# Altium PCB control-boardv1.0.PcbDoc (continued)
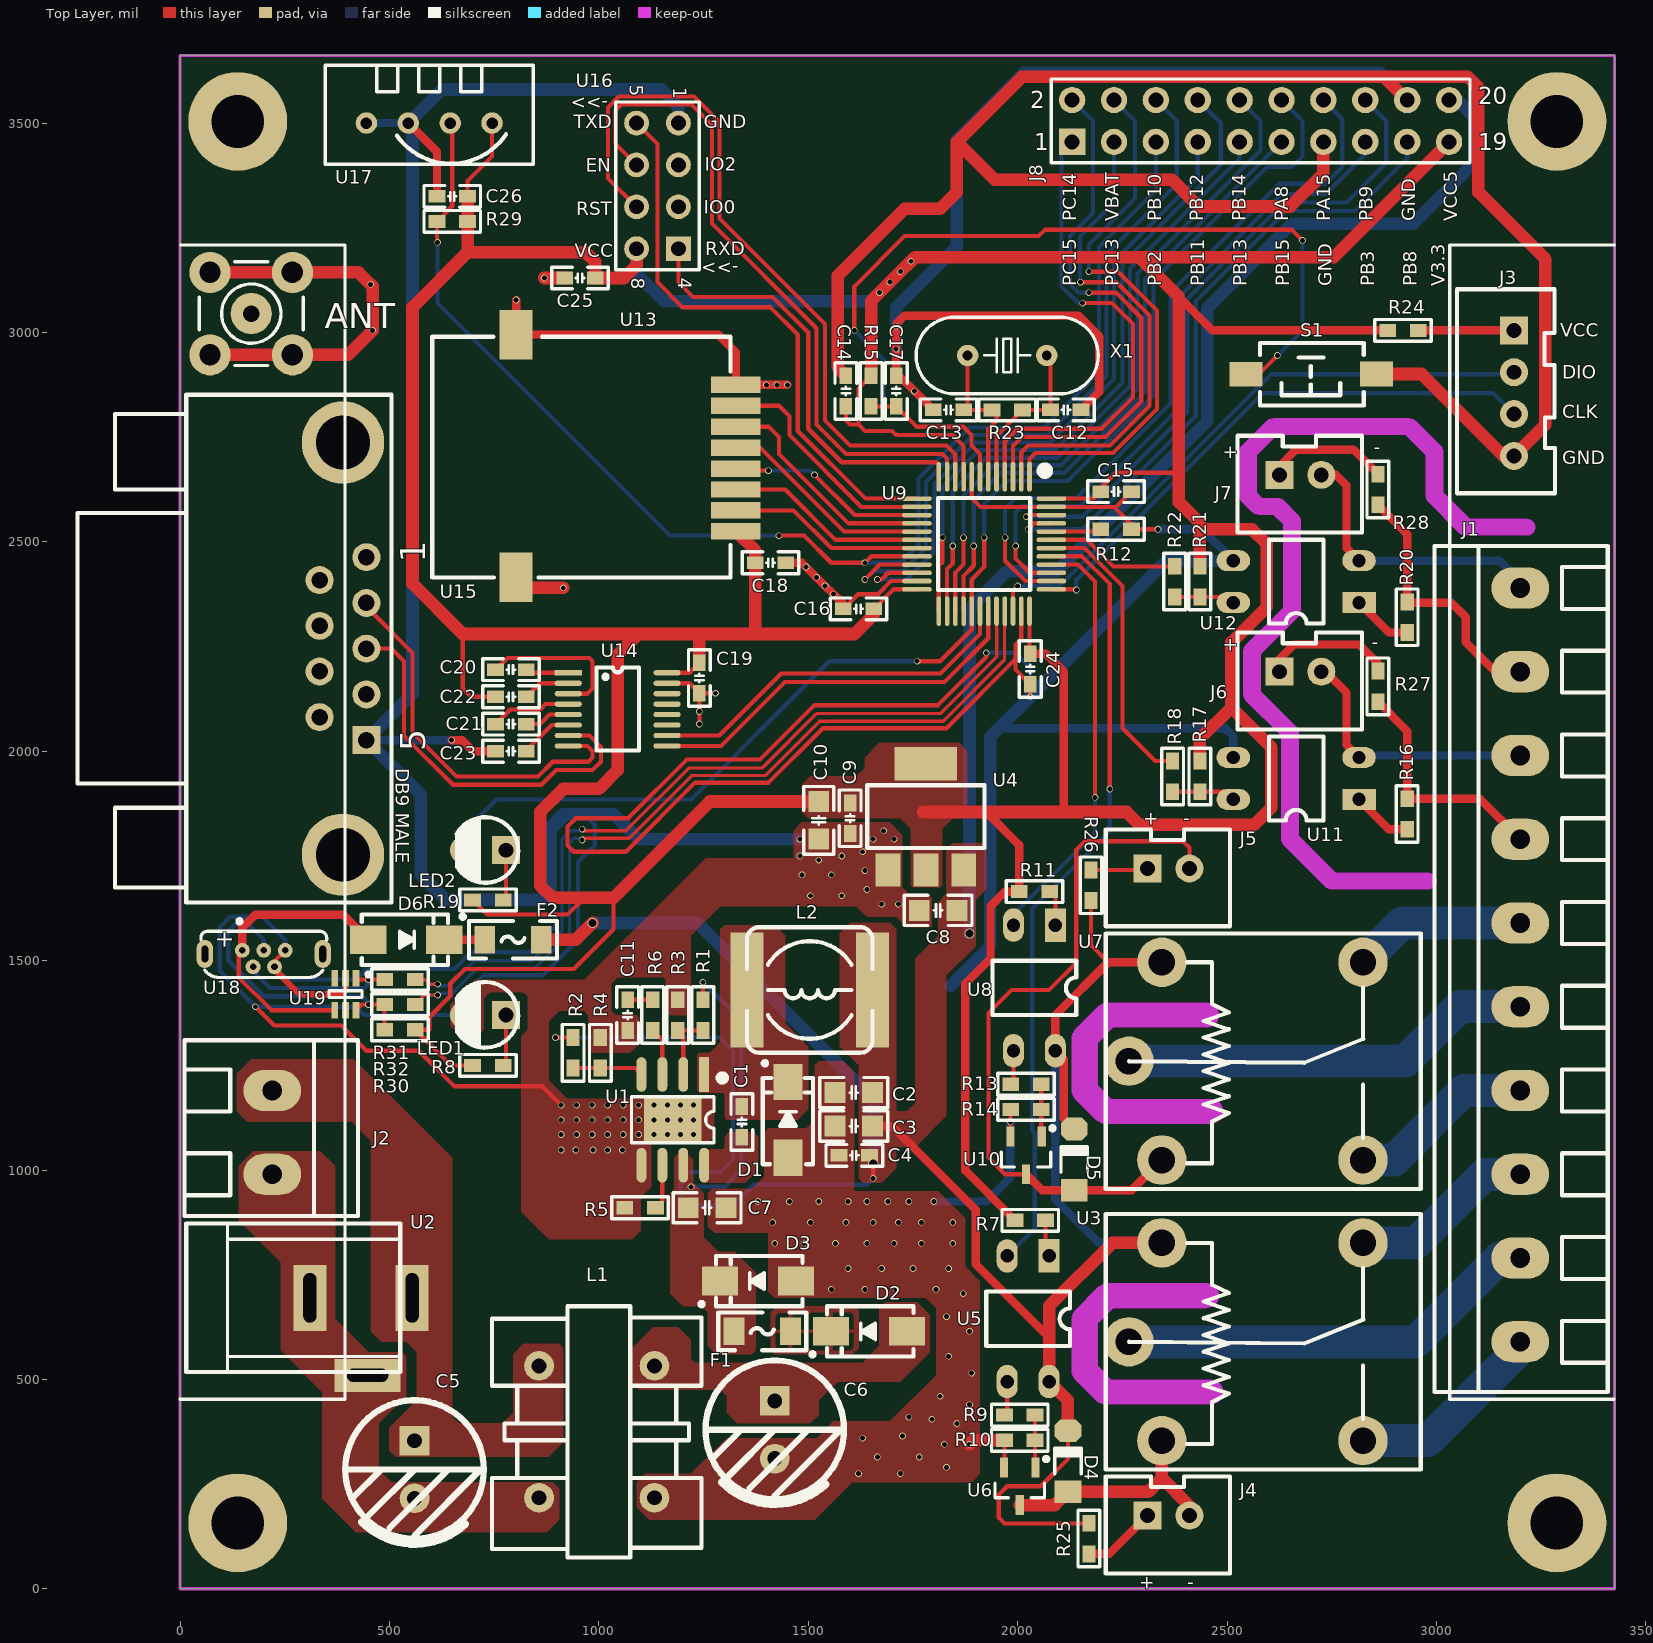
[diagram p0: Top Layer view]
## Part data
C1 C2 C3 C4 C7 C8 C9 C10 C11 C12 C13 C14 C15 C16 C17 C18 C19 C20 C21 C22 C23 C24 C25 C26: library part CAP
C5 C6: library part "CAP Pol", "极性电容"
D1 D2 D4 D5 D6: library part Diode
D3: library part "D Schottky"
F1 F2: library part F, "熔断开关"
J1: library part KF128-10P
L1: library part L2
L2: library part L
R1 R2 R3 R4 R5 R6 R7 R8 R9 R10 R11 R12 R13 R14 R15 R16 R17 R18 R19 R20 R21 R22 R23 R24 R25 R26 R27 R28 R29 R30 R31 R32: library part RES
U1: "DCDCоƬ"
U3 U7: "继电器"
U4: "LDO"
U5 U8 U11 U12: "光耦"
U6 U10: library part NPN
U13: library part 24L01, "2.4G无限模块"
U16: "WIFI模块"
U17: library part DHT11
U19: "TVS", Package=SC-70-6(SOT-363), SuppliersPartNumber=C15879, ComponentLink1Description=供应商链接, ComponentLink1URL=http://www.szlcsc.com/product/details_16561.html, Supplier=LC
X1: library part XTAL-2P

## Free pads (board coordinates)
  round 236.22 hole 125.98: ""(137.8,157.48) ""(137.8,3503.94) ""(3287.4,157.48) ""(3287.4,3503.94)

## Via types
v1: diameter 15.75, hole 11.81, Top Layer to Bottom Layer, 167 vias
v2: diameter 23.62, hole 19.68, Top Layer to Bottom Layer, 3 vias

## Nets (pads, with @x,y where several pads share a name; then routed paths per layer and width w, separated by ;. In a path a pad name is that pad's centre, name@x,y a point inside that pad or via, vN(x,y) a via of type N, cw(c..) or ccw(c..) an arc to the next point about the centre after c; other vN are vias at no path point)
DHT11: J8.5 R29.1 U9.20 U17.2 | length 3303.5
  Top Layer w10: v1(615,3215) 613.5,3216.5 R29.1 650,3301.5 650,3495 U17.2 ; v1(1430,2515) 1490,2515 1555,2450 v1(1635,2450) 1650.47,2465.47 U9.20 U9.20@1760.02,2465
  Bottom Layer w10: v1(615,3215) 615,3070 1170,2515 v1(1430,2515) ; v1(1635,2450) 1720.67,2450 1763.13,2492.46 1763.13,2650.91 1885.21,2773 2063,2773 2194,2904 2194,3204 2330,3340 J8.5
ESP_EN: U9.11 U16.6 | length 1614.5
  Top Layer w10: U16.6 1040,3450 1040,3530 1055,3545 1220,3545 1270,3495 1270,3260 1520,3010 1520,2780 1590,2710 1820,2710 1831.42,2698.58 U9.11
ESP_RST: U9.10 U16.7 | length 1782.3
  Top Layer w10: U16.7 1022,3368 1022,3537.46 1047.54,3563 1227.46,3563 1288,3502.46 1288,3272 1540,3020 1540,2790 1600,2730 1830,2730 1851.1,2708.9 U9.10
GND: ANT.2 ANT.3 C2.2 C3.2 C4.2 C6.2 C7.1 C8.1 C9.1 C10.1 C11.1 C12.1 C13.1 C14.1 C15.1 C16.1 C17.1 C18.2 C19.1 C23.2 C24.1 C25.2 C26.2 D1.1 D3.1 J3.4 J8.13 J8.18 L1.3 LED1.2 R3.1 R4.1 R5.1 R10.1 R12.1 R14.1 S1.1 U1.5 U4.1 U6.2 U9.8 U9.23 U9.35 U9.47 U10.2 U11.3 U12.3 U13.8 U13.9 U13.10 U14.15 U15.5 U16.1 U17.3 U17.4 U18.4 U18.5 U19.2 | length 24243.7
  Top Layer w10: v1(180,1390) 225,1345 385,1345 445,1285 570,1285 655,1200 864.96,1200 v1(909.96,1155) ; U18.4@225.59,1479.41 U18.4 225.59,1499.09 U18.5 ; U14.15 1216,2162.5 C19.1 ; v1(1240,2065) v1(1240,2095) C19.1 ; v1(1278.5,2138.5) C19.1 ; C16.1@1583.5,2351.5 C16.1 1618.5,2375 1666.04,2375 1697.46,2406.42 U9.23 ; U9.8 1890.47,2604.53 1911.42,2583.58 U9.47 2230,2583.58 ; v1(1925,2235) 1925,2225 1810,2110 1515,2110 1385,1980 1210,1980 1070,1840 945,1840 925,1820 925,1775 940,1760 1065,1760 1230,1925 1405,1925 1535,2055 1830,2055 1995,2220 ; U6.2 1968.5,290.9 R10.1 ; U10.2 v1(1982.6,1115) 1982.6,1144.1 R14.1 ; U9.35 2008.58,2268.58 1995,2255 1995,2220 ; v1(2030,2130) C24.1 1995,2195 1995,2220 ; C15.1@2270,2621.5 C15.1 ; C15.1@2285,2620 C15.1 ; v1(2335,2530) R12.1 2271.5,2542.08 2230,2583.58 ; 2230,2583.58 2235.08,2583.58 C15.1
  Top Layer w15: U18.4@225.59,1479.41 285,1420 385,1420 395,1430 U19.2
  Top Layer w20: U17.3 613.5,3431.5 C26.2 ; v1(648.35,2026.65) 673.35,2026.65 700,2000 C23.2 ; v1(802.59,3077.41) U13.9 1285,2995 1327.41,2952.59 U13.8 v1(1400,2875) v1(1425,2875) v1(1450,2875) ; C18.2 1485,2450 v1(1495,2440) v1(1520,2415) v1(1540,2395) v1(1560,2375) C16.1@1583.5,2351.5 ; C13.1 v1(1753.5,2860) 1717,2896.5 C17.1 v1(1710,2960) v1(1710,3015) 1710,3020 1730,3040 2145,3040 2195,2990 2195,2858.5 C12.1
  Top Layer w30: ANT.2@71.57,2946.57 268.43,2946.57 401.57,2946.57 v1(460,3005) 460,3110 v1(455,3115) 426.57,3143.43 268.43,3143.43 ANT.2@71.57,3143.43 ; U13.10 827.59,2390 v1(915,2390) ; v1(870,3130) C25.2 ; C14.1 1570,2916.5 1570,3135 1730,3295 1815,3295 1855,3335 1855,3455 ; v1(1885,345) 1895,355 R10.1 ; J8.13 2730,3380 2650.79,3300.79 2432.31,3300.79 2368.1,3365 1945,3365 1855,3455 ; S1.1 2964.21,2900.79 3160,2705 J3.4 3260,2780 3260,3175 3100,3335 3100,3585 3075,3610 2875,3610 ; J8.18 2875,3610 ; 1855,3455 2010,3610 2875,3610
  Bottom Layer w10: U18.4 255.91,1455 420,1455 445,1480 655,1480 695,1520 835,1520 895,1580 895,1810 925,1840 975,1840 990,1825 990,1775 950,1735 950,1550 865,1465 725,1465 678.35,1418.35 LED1.2 439.92,1370.08 420,1390 v1(180,1390) 95,1475 95,1580 120,1605 195.87,1605 251.18,1549.69 U18.5 ; v1(1925,2235) 1995,2235 2030,2200 v1(2030,2130)
  Bottom Layer w20: U15.5 v1(648.35,2026.65) ; U17.4 U17.3 ; v1(1800,925) 1925,925 1982.6,982.6 v1(1982.6,1115) ; 1955,2055 2495,2055 2515,2035 U11.3 ; v1(2335,2530) 2440,2530 U12.3
  Bottom Layer w30: 885,1655 875,1645 ; U16.1 1190,3540 1150,3580 625,3580 U17.3 555,3490 555,2136.65 U15.5 575,1896.65 575,1705 635,1645 875,1645 ; v1(1480,1790) 1095,1790 1035,1850 915,1850 875,1810 875,1645 ; v1(1710,2960) v1(1710,3015) 1710,3060 1855,3205 1855,3460 2015,3620 2865,3620 J8.18 ; 1840,1440 1935,1535 1935,2035 1955,2055 v1(2030,2130) 2355,2455 U12.3
  other v1: 1620,275 1720,275 1830,290 1665,315 1765,315 1825,345 1630,360 1725,365 1855,395 1795,405 1740,410 1885,440 1815,460 1890,515 1835,555 1885,615 1830,650 1870,705 1555,715 1635,715 1710,715 1805,715 1595,765 1675,765 1750,765 1835,765 1420,825 1490,825 1565,825 1640,825 1705,825 1770,825 1845,825 1415,875 1505,875 1590,875 1655,875 1715,875 1770,875 1845,875 1380,925 1455,925 1525,925 1595,925 1640,925 1690,925 1740,925 909.96,1047.99 944.96,1047.99 985.98,1047.99 1020.98,1047.99 1055.98,1047.99 909.96,1085 946.97,1085 983.98,1085 1020.98,1085 1057.99,1085 1095,1085 1132.01,1085 1163.5,1085 1195,1085 1226.5,1085 909.96,1120 946.97,1120 983.98,1120 1020.98,1120 1057.99,1120 1095,1120 1132.01,1120 1163.5,1120 1195,1120 1226.5,1120 946.97,1155 983.98,1155 1020.98,1155 1057.99,1155 1095,1155 1132.01,1155 1163.5,1155 1195,1155 1226.5,1155 1675,1635 1715,1635 1505,1655 1580,1655 1640,1670 1485,1705 1555,1705 1635,1715 1525,1740 1480,1750 1580,1750 1630,1760 1655,1790 1705,1790 1680,1810
IN1: R18.1 U9.42 | length 699.1
  Top Layer w10: U9.42 2159.39,2485.16 2250,2394.54 2250,2055 2328.5,1976.5 R18.1
IN2: R22.1 U9.43 | length 320.8
  Top Layer w10: U9.43 2165.16,2504.84 2228.5,2441.5 R22.1
LED: J8.12 LED2.2 U9.29 | length 3188.3
  Top Layer w10: v1(1760,2215) 1815,2215 1890.47,2290.47 U9.29 1890.47,2410.47 1920,2440 v1(1920,2510)
  Bottom Layer w10: LED2.2 678.35,1808.35 755,1885 1220,1885 1550,2215 v1(1760,2215) ; v1(1920,2510) 1920,2590 1975,2645 2119.65,2645 2324,2849.35 2324,3123.54 2595.46,3395 2655,3395 2680,3420 2680,3505 J8.12
NetC1_1: C1.1 D1.2 L2.2 U1.1
NetC1_2: C1.2 U1.8
NetC5_1: C5.1 J2.1 L1.1 U2.1
NetC5_2: C5.2 J2.2 L1.4 U2.2 U2.3
NetC6_1: C6.1 D2.1 L1.2
NetC11_2: C11.2 R6.1 | length 60
  Top Layer w10: C11.2 R6.1
NetC12_2: C12.2 R23.2 U9.5 X1.1 | length 386
  Top Layer w10: U9.5 1949.53,2753.03 R23.2 C12.2 2078.5,2935.99 X1.1
NetC13_2: C13.2 R23.1 U9.6 X1.2 | length 373.4
  Top Layer w10: X1.2 1880.51,2824.01 C13.2 R23.1 1950,2803.5 1950,2790 1929.84,2769.84 U9.6
NetC20_1: C20.1 U14.3 | length 374.6
  Top Layer w10: C20.1 781.5,2223 977,2223 985,2215 985,2150 972.5,2137.5 U14.3
NetC20_2: C20.2 U14.1 | length 103.6
  Top Layer w10: C20.2 834,2187.5 U14.1
NetC21_1: C21.1 U14.5 | length 109.8
  Top Layer w10: C21.1 860,2065 882.5,2087.5 U14.5
NetC21_2: C21.2 U14.4 | length 193.2
  Top Layer w10: C21.2 788.5,2100 860,2100 872.5,2112.5 U14.4
NetC22_1: C22.1 U14.2 | length 114
  Top Layer w10: C22.1 859,2162.5 U14.2
NetC23_1: C23.1 U14.6 | length 127.3
  Top Layer w10: C23.1 826.5,2001.5 887.5,2062.5 U14.6
NetD2_2: D2.2 F1.1
NetD4_1: D4.1 J4.2 U3.2 U6.3 | length 571.8
  Top Layer w30: U6.3 2088.03,200 D4.1 2311.97,231.97 2344.21,264.21 ; U3.2 2344.21,264.21 ; J4.2 2410,198.43 2344.21,264.21
NetD5_1: D5.1 J5.2 U7.2 U10.3 | length 1685.5
  Top Layer w10: U10.3 1970,990 1930,1030 1930,1375 1985,1430 2075,1430 2140,1495 2140,1765 2160,1785 2395,1785 2410,1770 J5.2
  Top Layer w20: U10.3 2058.03,951.97 D5.1 2272.4,951.97 U7.2
NetD6_1: D6.1 U18.1 U19.4 | length 722.7
  Top Layer w10: U18.1 140,1515.87 140,1460 218.19,1381.81 U19.4
  Top Layer w20: U18.1 148.82,1578.82 180,1610 389.45,1610 D6.1
NetD6_2: D6.2 F2.1 | length 97
  Top Layer w20: D6.2 F2.1
NetJ1_1: J1.1 U3.5 | length 488.3
  Bottom Layer w78.74: U3.5 2978.78,353.78 J1.1@3215,590
NetJ1_2: J1.2 U3.3 | length 1032.4
  Bottom Layer w78.74: U3.3 2950,590 3150,790 J1.2@3215,790
NetJ1_3: J1.3 U3.4 | length 458.3
  Bottom Layer w78.74: U3.4 2951.22,826.22 3115,990 J1.3@3215,990
NetJ1_4: J1.4 U7.5 | length 459.3
  Bottom Layer w78.74: U7.5 2898.78,1023.78 3065,1190 J1.4@3215,1190
NetJ1_5: J1.5 U7.3 | length 1003.4
  Bottom Layer w78.74: U7.3 2925,1260 3055,1390 J1.5@3215,1390
NetJ1_6: J1.6 U7.4 | length 429.3
  Bottom Layer w78.74: U7.4 2918.31,1590 J1.6@3215,1590
NetJ1_7: J1.7 R16.2 R27.2 | length 586
  Top Layer w20: R27.2 2930,2048.5 R16.2 3103.5,1886.5 J1.7 J1.7@3215,1790
NetJ1_8: J1.8 J6.2 U11.2 | length 650.2
  Top Layer w20: J6.2 2735,2190 2785,2140 2785,2015 U11.2
  Bottom Layer w20: U11.2 2820,1990 J1.8@3215,1990
NetJ1_9: J1.9 R20.2 R28.2 | length 650.1
  Top Layer w20: R28.2 2930,2518.5 R20.2 2931.5,2355 2966.5,2355 3035,2355 3070,2320 3070,2260 3140,2190 J1.9@3215,2190
NetJ1_10: J1.10 J7.2 U12.2 | length 689.7
  Top Layer w20: J7.2 2760,2660 2785,2635 2785,2485 U12.2
  Bottom Layer w20: U12.2 3150,2455 J1.10@3215,2390
NetJ3_1: J3.1 R24.1 | length 231.8
  Top Layer w20: R24.1@2958.86,3002.64 R24.1 J3.1
NetJ4_1: J4.1 R25.1 | length 177.9
  Top Layer w20: R25.1 2218.5,83.5 J4.1
NetJ5_1: J5.1 R26.1 | length 136.4
  Top Layer w10: R26.1 2306.5,1716.5 J5.1
NetJ6_1: J6.1 R27.1 | length 316.6
  Top Layer w20: J6.1 2625,2220 2660,2255 2815,2255 2860,2210 R27.1
NetJ7_1: J7.1 R28.1 | length 295.8
  Top Layer w20: J7.1 2625,2680 2665,2720 2801.5,2720 R28.1
NetLED1_1: LED1.1 R8.1 | length 122.9
  Top Layer w10: R8.1 778.35,1256.85 LED1.1
NetLED2_1: LED2.1 R19.1 | length 121.6
  Top Layer w10: R19.1 778.35,1651.85 LED2.1
NetR1_1: R1.1 R3.2 U1.2 | length 170.6
  Top Layer w10: U1.2 1201.5,1320.51 R3.2 R1.1
NetR2_1: R2.1 R4.2 U1.4 | length 169.3
  Top Layer w10: R2.1 R4.2 1086.26,1243.5 U1.4
NetR5_2: R5.2 U1.6 | length 108.6
  Top Layer w10: R5.2 1151.5,926.49 U1.6
NetR6_2: R6.2 U1.3 | length 114.8
  Top Layer w10: R6.2 1151.5,1310.51 U1.3
NetR7_2: R7.2 U5.1 | length 88.5
  Top Layer w10: R7.2 2066.5,803.5 U5.1
NetR9_1: R9.1 U5.3 | length 82.7
  Top Layer w10: R9.1 1975,421.5 U5.3
NetR9_2: R9.2 R10.2 U6.1 | length 125.4
  Top Layer w10: R9.2 R10.2 2041.5,290.9 U6.1
NetR11_2: R11.2 U8.1 | length 85.6
  Top Layer w10: R11.2 2090,1651.5 U8.1
NetR12_2: R12.2 U9.44 | length 120.3
  Top Layer w10: U9.44 2193.03,2524.53 R12.2
NetR13_1: R13.1 U8.3 | length 82.7
  Top Layer w10: R13.1 1990,1211.5 U8.3
NetR13_2: R13.2 R14.2 U10.1 | length 126.6
  Top Layer w10: R13.2 R14.2 2056.5,1080.9 U10.1
  Top Layer w20: R13.2 R13.2@2057.4,1204.1
NetR16_1: R16.1 U11.1 | length 144.6
  Top Layer w20: U11.1 2886.5,1813.5 R16.1
NetR17_1: R17.1 R18.2 U11.4 | length 152.7
  Top Layer w10: R18.2 R17.1 2496.5,1903.5 U11.4
NetR20_1: R20.1 U12.1 | length 144.6
  Top Layer w20: U12.1 2886.5,2283.5 R20.1
NetR21_1: R21.1 R22.2 U12.4 | length 145.6
  Top Layer w10: R22.2 R21.1 2501.5,2368.5 U12.4
NetR30_1: R30.1 R32.1 U18.3 U19.6 | length 715.6
  Top Layer w10: U19.6 433.78,1395 v1(450,1395) R32.1 R30.1
  Bottom Layer w10: U18.3 200,1549.69 164.68,1585 130,1585 115,1570 115,1500 200,1415 435,1415 450,1400 v1(450,1395)
NetR31_1: R31.1 U18.2 U19.1 | length 385.5
  Top Layer w10: U19.1 423.78,1455 v1(450,1455) R31.1
  Bottom Layer w10: U18.2 174.41,1475.59 215,1435 440,1435 450,1445 v1(450,1455)
NRF_CE: U9.19 U13.2 | length 469.4
  Top Layer w10: U13.2 1465,2575 1554.84,2485.16 U9.19
NRF_CS: U9.18 U13.3 | length 481.9
  Top Layer w10: U13.3 1445,2625 1565.16,2504.84 U9.18
NRF_IRQ: U9.14 U13.7 | length 558.5
  Top Layer w10: U13.7 1430,2825 1455,2800 1455,2755 1626.42,2583.58 U9.14
NRST: C17.2 R15.1 S1.2 U9.7 | length 2221.5
  Top Layer w10: v1(1610,3005) 1610,3110 1730,3230 2050,3230 2065,3245 2655,3245 v1(2680,3220) ; R15.1 v1(1680,2823.5) C17.2 1758.5,2775 1870,2775 1890,2755 1890,2730 1910.16,2709.84 U9.7 ; S1.2 2575,2900 v1(2620,2945)
  Bottom Layer w10: v1(1610,3005) 1680,2935 v1(1680,2823.5) ; v1(2620,2945) 2680,3005 v1(2680,3220)
OUT1: U5.2 U9.41 | length 1877.5
  Top Layer w10: U9.41 2153.62,2465.47 2220,2399.09 v1(2220,1910)
  Bottom Layer w10: U5.2 2040.87,860.87 2040.87,1088.64 2035,1094.51 2035,1625 2220,1810 v1(2220,1910)
OUT2: U8.2 U9.40 | length 1022.2
  Top Layer w10: U9.40 2144.21,2445.79 2185,2405 v1(2185,1890)
  Bottom Layer w10: U8.2 1990,1610 2185,1805 v1(2185,1890)
PA15: J8.14 U9.38 | length 1732
  Top Layer w10: v1(1970,2510) 1970,2455 2018.58,2406.42 U9.38
  Bottom Layer w10: v1(1970,2510) 1970,2580 1995,2605 2140,2605 2365,2830 2365,3095 2625,3355 2735,3355 2775,3395 2775,3510 J8.14
PB3: J8.15 U9.39 | length 1584.1
  Top Layer w10: v1(1995,2490) 1995,2460 2028.9,2426.1 U9.39
  Bottom Layer w10: v1(1995,2490) 1995,2570 2010,2585 2150,2585 2385,2820 2385,3085 2630,3330 2735.46,3330 2830,3424.54 J8.15
PB8: J8.17 U9.45 | length 1533.5
  Top Layer w10: v1(2025,2530) 2039.21,2544.21 U9.45
  Bottom Layer w10: v1(2025,2530) 2155,2530 2425,2800 2425,3074.09 2640.91,3290 2805,3290 2930,3415 J8.17
PB9: J8.16 U9.46 | length 1600.7
  Top Layer w10: v1(2020,2560) 2023.9,2563.9 U9.46
  Bottom Layer w10: v1(2020,2560) 2155,2560 2405,2810 2405,3079.54 2635.46,3310 2785,3310 2880,3405 2880,3505 J8.16
PB10: J8.6 U9.21 | length 1760.2
  Top Layer w10: v1(1635,2410) 1670.79,2445.79 U9.21
  Bottom Layer w10: v1(1635,2410) 1635.48,2410 1656.35,2430.87 1673.65,2430.87 1674.52,2430 1726.13,2430 1781.13,2485 1781.13,2643.46 1892.67,2755 2070.46,2755 2212,2896.54 2212,3187 2380,3355 2380,3505 J8.6
PB11: J8.7 U9.22 | length 1608.2
  Top Layer w10: v1(1665,2410) 1675,2410 1691.1,2426.1 U9.22
  Bottom Layer w10: v1(1665,2410) 1735,2410 1799.13,2474.13 1799.13,2519.52 1802,2522.39 1802,2638.88 1900.12,2737 2077.91,2737 2230,2889.09 2230,3170 2430,3370 J8.7
PB12: J8.8 U9.25 | length 1628.4
  Top Layer w10: U9.25 1811.73,2443.09 1820,2451.36 v1(1820,2510)
  Bottom Layer w10: v1(1820,2510) 1820,2631.42 1907.58,2719 2089,2719 2250,2880 2250,3164.54 2485,3399.54 2485,3500 J8.8
PB13: J8.9 U9.26 | length 1510.3
  Top Layer w10: U9.26 1831.42,2434.93 1845,2448.52 v1(1845,2490)
  Bottom Layer w10: v1(1845,2490) 1845,2621.07 1924.93,2701 2096.46,2701 2268,2872.54 2268,3153 2530,3415 J8.9
PB14: J8.10 U9.27 | length 1637.2
  Top Layer w10: U9.27 1851.1,2426.78 1870.63,2446.31 v1(1870.63,2510)
  Bottom Layer w10: v1(1870.63,2510) 1870.63,2610.45 1943.18,2683 2103.91,2683 2286,2865.09 2286,3141 2580,3435 2580,3505 J8.10
PB15: J8.11 U9.28 | length 1523.8
  Top Layer w10: U9.28 1870.79,2418.63 1895,2442.84 v1(1895,2490)
  Bottom Layer w10: v1(1895,2490) 1895,2600.36 1959.64,2665 2111.37,2665 2304,2857.63 2304,3129 J8.11
PC13: J8.3 U9.2 | length 1193
  Top Layer w10: U9.2 2008.58,2713.58 2025,2730 2220,2730 2315,2825 2315,3040.46 2235.46,3120 v1(2150,3120)
  Bottom Layer w10: v1(2150,3120) 2149.13,3120.87 2149.13,3228.67 2230,3309.54 J8.3
PC14: J8.2 U9.3 | length 1310.1
  Top Layer w10: U9.3 1988.9,2728.9 2010,2750 2210,2750 2295,2835 2295,3035 2235,3095 v1(2170,3095)
  Bottom Layer w10: J8.2 2180,3505 2180,3285 2125,3230 2125,3115 2145,3095 v1(2170,3095)
PC15: J8.1 U9.4 | length 1171.3
  Top Layer w10: U9.4 1969.21,2739.21 2000,2770 2200,2770 2275,2845 2275,3020 2225,3070 v1(2155,3070)
  Bottom Layer w10: J8.1 2105,3430 2105,3109.54 2144.54,3070 v1(2155,3070)
RS232_RX: U14.7 U15.3 | length 946.2
  Top Layer w10: U15.3 505,2245 535,2215 535,2036.72 651.72,1920 863.28,1920 898.28,1955 985,1955 1005,1975 1005,2010 977.5,2037.5 U14.7
RS232_TX: U14.8 U15.2 | length 925
  Top Layer w10: U15.2 445,2345 555,2235 555,2045 660,1940 855,1940 890,1975 975,1975 985,1985 985,2000 972.5,2012.5 U14.8
SPI0_MISO: U9.16 U13.6 | length 551.2
  Top Layer w10: U13.6 1405,2775 1430,2750 1430,2710 1595.79,2544.21 U9.16
SPI0_MOSI: U9.17 U13.5 | length 515.2
  Top Layer w10: U13.5 1385,2725 1585.47,2524.53 U9.17
SPI0_SCK: U9.15 U13.4 | length 478.2
  Top Layer w10: U13.4 1332.41,2670 v1(1405,2670) ; v1(1515,2660) 1611.1,2563.9 1618.26,2563.9 U9.15
  Bottom Layer w10: v1(1405,2670) 1505,2670 v1(1515,2660)
SWCLK: J3.3 U9.37 | length 1335
  Top Layer w10: U9.37 2138.27,2386.73 v1(2140,2385)
  Bottom Layer w10: v1(2140,2385) 2140,2409.54 2585.46,2855 3135,2855 J3.3
SWDIO: J3.2 U9.34 | length 1461.3
  Top Layer w10: U9.34 1988.9,2383.9 v1(2000,2395)
  Bottom Layer w10: v1(2000,2395) 2100,2395 2605,2900 3180,2900 J3.2
USART0_RX: U9.31 U14.9 | length 938.1
  Top Layer w10: U14.9 1291.49,2012.5 1443.99,2165 1825,2165 1929.84,2269.84 U9.31
USART0_TX: U9.30 U14.10 | length 902.1
  Top Layer w10: U14.10 1287.5,2037.5 1435.5,2185.5 1815.5,2185.5 1910.16,2280.16 U9.30
USART1_RX: U9.13 U16.5 | length 1369
  Top Layer w10: U16.5 1140,3450 1140,3120 1200,3060 1410,3060 1475,2995 1475,2765 1636.73,2603.27 U9.13
USART1_TX: U9.12 U16.4 | length 1045.2
  Top Layer w10: U16.4 1190,3120 1225,3085 1415,3085 1500,3000 1500,2770 1580,2690 1805,2690 1811.73,2683.27 U9.12
USB_N: R31.2 U9.32 | length 1960.5
  Top Layer w8: R31.2 585.5,1455 596.63,1443.87 v1(615,1443.87) ; v1(960,1813.87) 963.87,1810 1064.54,1810 1214.54,1960 1389.54,1960 1519.54,2090 1815,2090 1950.37,2225.37 1950.37,2294.28 1949.53,2295.12 U9.32
  Bottom Layer w8: v1(615,1443.87) 618.87,1440 642.54,1440 702.54,1500 840,1500 912,1572 912,1789.46 932.54,1810 956.13,1810 v1(960,1813.87)
USB_P: R32.2 U9.33 | length 1995.3
  Top Layer w8: R32.2 584.63,1418.13 v1(615,1418.13) ; v1(960,1788.13) 963.87,1792 1072,1792 1222,1942 1397,1942 1527,2072 1822.46,2072 1968.37,2217.91 1968.37,2294.28 1969.21,2295.12 U9.33
  Bottom Layer w8: v1(615,1418.13) 618.87,1422 650,1422 710,1482 847.46,1482 930,1564.54 930,1782 940,1792 956.13,1792 v1(960,1788.13)
VBAT: J8.4 U9.1 | length 1309.2
  Top Layer w10: U9.1 2028.27,2698.27 2042,2712 2227.46,2712 2333,2817.54 2333,3052 2240,3145 v1(2170,3145)
  Bottom Layer w10: v1(2170,3145) 2170,3210 2280,3320 2280,3505 J8.4
VCC3.3: C9.2 C10.2 C14.2 C15.2 C16.2 C18.1 C19.2 C22.2 C24.2 C25.1 C26.1 J8.19 R7.1 R8.2 R11.1 R15.2 R17.2 R19.2 R21.2 R24.2 R29.2 R30.2 U4.2 U9.9 U9.24 U9.36 U9.48 U13.1 U14.16 U16.8 U17.1 | length 14560.4
  Top Layer w10: 675,2280 675,2150 695,2130 C22.2 ; C26.1 686.5,3361.5 745,3420 U17.1 ; R8.2 646.5,1250 R30.2 595,1335 595,1365 645,1415 645,1445 680,1480 940,1480 1035,1575 1035,1650 ; R19.2 733.5,1610 925,1610 965,1650 975,1650 ; U14.16 1216,2187.5 C19.2 ; C14.2 1590,2790 1600,2780 1620,2780 ; R15.2 1620,2866.5 1620,2780 ; C16.2 1703.23,2386.73 U9.24 ; U9.9 1870.79,2729.21 1845,2755 1710,2755 1700,2765 1635,2765 1620,2780 ; U9.36 2028.27,2234.73 C24.2 ; U9.48 2181.77,2603.27 C15.2 2198.5,2628.5 2235,2665 2385,2665
  Top Layer w20: 1925,1855 2003.5,1776.5 R11.1 1970,1665 1935,1630 1935,1505 1875,1445 1875,998.5 R7.1 ; C24.2 2067,2233 2110,2190 2110,1855 ; 2385,3085 2465,3005 R24.2
  Top Layer w30: C26.1 R29.2 686.5,3191.5 ; U16.8 1090,3160 1060,3130 C25.1 991.5,3168.5 968.5,3191.5 686.5,3191.5 ; C19.2 1240,2280 ; U13.1 1373.5,2478.91 C18.1 1373.5,2281.5 1375,2280 ; C10.2 1265,1880 1035,1650 965,1650 890,1650 860,1680 860,1855 915,1910 1000,1910 1045,1955 1045,2230 1095,2280 ; R15.2 1650,3075 v1(1670,3095) v1(1695,3120) v1(1720,3145) v1(1745,3170) 1755,3180 2290,3180 ; C16.2 1656.5,2326.5 1610,2280 1375,2280 ; 1775,1855 1925,1855 2110,1855 2260,1855 2290,1825 2565,1825 2605,1865 2605,2010 2510,2105 ; R17.2 2435,2030 2510,2105 ; R21.2 2435,2530 2560,2530 2595,2495 2595,2345 2510,2260 2510,2105 ; 2435,2545 2385,2595 2385,2665 2385,3085 2290,3180 ; J8.19 2755,3180 2290,3180 ; 686.5,3191.5 555,3060 555,2400 675,2280 1095,2280 ; 1095,2280 1240,2280 ; 1240,2280 1375,2280
  Bottom Layer w30: U16.8 1090,3140 1155,3075 1650,3075 v1(1670,3095) v1(1695,3120) v1(1720,3145) v1(1745,3170)
VCC5: C2.1 C3.1 C4.1 C8.2 D4.2 D5.2 F2.2 J8.20 L2.1 R2.2 R25.2 R26.2 U3.1 U4.3 U5.4 U7.1 U8.4 | length 8672.8
  Top Layer w10: v1(896.5,1316.5) R2.2 ; v1(1655,980) v2(1655,1015) ; D4.2 2120,310 2055,245 1975,245 1955,225 1955,170 1968.5,156.5 R25.2 ; R26.2 2175,1537.44 2216.22,1496.22
  Top Layer w20: C3.1 1700,1105 1900,905 1900,775 2075,600 ; D5.2 2110,1123.03 2110,1265 U8.4 2090,1370 2216.22,1496.22 U7.1
  Top Layer w30: F2.2 945,1550 v2(985,1590) ; D4.2 2120,450 U5.4 2075,600 2075,675 2226.22,826.22 U3.1
  Bottom Layer w10: v1(896.5,1316.5) 1288.5,1316.5 1320,1285 1320,1025 1290,995 1210,995 1195,980 1195,935 1215,915 1320,915 1370,965 1640,965 v1(1655,980)
  Bottom Layer w20: U8.4 2090,930 2193.78,826.22 U3.1
  Bottom Layer w30: v2(985,1590) 1235,1590 1655,1170 v2(1655,1015) ; v2(1885,1565) 1885,2340 1975,2430 2094.6,2430 2453,2788.4 2453,3058 2655,3260 2945,3260 3090,3405 3090,3515 3050,3555 J8.20
VCC_IN: C7.2 D3.2 F1.2 R1.2 U1.7 | length 665
  Top Layer w10: R1.2 v1(1248.5,1448.5)
  Bottom Layer w10: v1(1220,960) 1300,960 1340,1000 1340,1357.01 v1(1248.5,1448.5)
pads on no net: ANT.1 U14.11 U14.12 U14.13 U14.14 U15.1 U15.4 U15.6 U15.7 U15.8 U15.9 U15.10 U15.11 U16.2 U16.3 U18.6 U19.3 U19.5

## Polygon pours and split planes (outlines as drawn)
NetC5_2 on Top Layer "Top Layer-No Net" (solid, pour order 44): 175,1045 335,1045 370,1010 370,645 450,565 530,565 540,555 540,460 475,395 475,285 505,255 890,255 905,240 905,165 875,135 420,135 340,215 340,470 240,570 240,780 140,880 140,1010
NetC5_1 on Top Layer "Top Layer-No Net" (solid, pour order 42): 135,1140 135,1230 170,1265 415,1265 650,1030 650,410 665,395 770,395 795,420 795,560 820,585 905,585 915,575 915,350 880,315 515,315 500,330 500,385 565,450 565,565 540,590 480,590 455,615 455,1070 410,1115 160,1115
GND on Top Layer "Top Layer-No Net" (solid, pour order 32): 1265,1070 1275,1080 1275,1165 1270,1170 925,1170 880,1215 880,1355 905,1380 965,1380 975,1370 975,1290 985,1280 1075,1280 1095,1300 1095,1365 1090,1370 1040,1370 1030,1380 1030,1445 1045,1460 1155,1460 1160,1455 1160,1380 1170,1370 1210,1370 1220,1380 1220,1560 1290,1630 1615,1630 1620,1635 1620,1710 1585,1745 1255,1745 965,1455 705,1455 645,1395 645,1345 675,1315 705,1315 725,1335 725,1410 740,1425 820,1425 830,1415 830,1335 815,1320 815,900 880,835 1080,835 1100,855 1100,935 1125,960 1125,1065 1130,1070
GND on Top Layer "Top Layer-No Net" (solid, pour order 30): 1780,695 1805,670 1805,510 1695,400 1560,400 1515,355 1515,310 1570,255 1860,255 1910,305 1910,735 1875,770 1875,885 1810,950 1465,950 1405,890 1405,709.98 1419.98,695
GND on Top Layer "Top Layer-No Net" (solid, pour order 28): 1110,275 1220,275 1305,360 1910,360 1910,275 1890,255 1605,255 1515,165 1120,165 1090,195 1090,255
GND on Top Layer "Top Layer-No Net" (solid, pour order 26): 1795,1650 1785,1660 1740,1660 1725,1675 1725,1800 1695,1830 1485,1830 1465,1810 1465,1745 1485,1725 1605,1725 1615,1715 1615,1630 1640,1605 1710,1605 1735,1580 1790,1580 1795,1585
VCC3.3 on Top Layer "Top Layer-No Net" (solid, pour order 24): 1820,1680 1820,1815 1880,1875 1880,2000 1860,2020 1670,2020 1635,1985 1635,1960 1615,1940 1505,1940 1485,1920 1485,1855 1500,1840 1720,1840 1745,1815 1745,1680 1750,1675 1815,1675
GND on Top Layer "Top Layer-No Net" (solid, pour order 20): 1610,1235 1585,1260 1525,1260 1515,1250 1515,1120 1495,1100 1405,1100 1395,1090 1395,985 1365,955 1270,955 1260,945 1260,865 1275,850 1550,850 1610,910
VCC5 on Top Layer "Top Layer-No Net" (solid, pour order 18): 1695,1140 1735,1140 1755,1160 1755,1505 1810,1560 1810,1640 1830,1660 1830,1765 1845,1780 1915,1780 1925,1770 1925,1670 1900,1645 1900,1535 1830,1465 1830,1130 1755,1055 1700,1055 1687.92,1067.08 1687.92,1133.9 1688.9,1133.9
VCC5 on Top Layer "Top Layer-No Net" (solid, pour order 14): 1710,1575 1695,1590 1600,1590 1575,1565 1575,1295 1620,1250 1620,980 1630,970 1675,970 1705,1000 1710,1005
NetC1_1 on Top Layer "Top Layer-No Net" (solid, pour order 12): 1475,1120 1500,1145 1500,1295 1445,1350 1445,1560 1420,1585 1300,1585 1290,1575 1290,1305 1265,1280 1240,1280 1235,1275 1235,1190 1240,1185 1295,1185 1300,1180 1300,1125 1305,1120
NetC1_2 on Top Layer "Top Layer-No Net" (solid, pour order 10): 1255,1050 1295,1050 1300,1055 1300,1080 1310,1090 1370,1090 1380,1080 1380,1000 1350,970 1250,970 1245,975 1245,1040
VCC_IN on Top Layer "Top Layer-No Net" (solid, pour order 8): 1375,570 1375,755 1325,805 1285,805 1250,840 1250,945 1225,970 1225,1025 1210,1040 1190,1040 1180,1030 1180,955 1170,945 1170,705 1200,675 1245,675 1260,660 1260,580 1280,560 1365,560
NetD2_2 on Top Layer "Top Layer-No Net" (solid, pour order 6): 1605,560 1620,575 1620,665 1610,675 1425,675 1410,660 1410,570 1420,560
NetC6_1 on Top Layer "Top Layer-No Net" (solid, pour order 4): 1220,550 1220,595 1190,625 1130,625 1080,575 1080,490 1095,475 1290,475 1305,460 1305,420 1330,395 1505,395 1525,415 1525,450 1570,495 1720,495 1790,565 1790,655 1760,685 1685,685 1670,670 1670,580 1630,540 1230,540
GND on Bottom Layer "Top Layer-No Net" (solid, pour order 46): 1825,2295 1750,2370 1640,2370 1605,2405 1605,2465 1630,2490 1690,2490 1725,2525 1725,3015 1925,3215 1925,3535 1875,3585 440,3585 395,3540 395,3020 530,2885 530,2135 450,2055 450,1980 540,1890 540,1665 605,1600 950,1600 980,1630 1450,1630 1490,1590 1800,1590 1825,1615
GND on Bottom Layer "Top Layer-No Net" (solid, pour order 40): 1875,770 1875,1650 1695,1830 1485,1830 1465,1810 1465,1635 1490,1610 1710,1610 1750,1570 1750,965 1735,950 1735,805 1785,755 1860,755
GND on Bottom Layer "Top Layer-No Net" (solid, pour order 38): 1840,950 1875,915 1875,770 1910,735 1910,270 1895,255 1595,255 1570,280 1570,575 1545,600 1545,920 1575,950
GND on Bottom Layer "Top Layer-No Net" (solid, pour order 34): 1837.45,950 1385,950 1320,885 1200,885 1125,960 1125,1060 1135,1070 1265,1070 1275,1080 1275,1165 1265,1175 835,1175 815,1155 815,900 880,835 1075,835 1105,805 1105,715 1220,600 1630,600 1630,490

## Keep-outs
Keep-Out Layer:
  lines w8: 0,0 3425.2,0 3425.2,3661.42 0,3661.42 0,0
  lines w39.37: 2980,1690 2750,1690 2650,1790 2650,2045 2560,2135 2560,2240 2655,2335 2655,2550 2620,2585 2575,2585 2550,2610 2550,2715 2610,2775 2935,2775 2995,2715 2995,2610 3070,2535 3185,2535 3215,2535
  lines w59.06: 2450,700 2215,700 2160,645 2160,520 2210,470 2460,470 ; 2450,1370 2215,1370 2160,1315 2160,1190 2210,1140 2460,1140

## Silkscreen, mask and mechanical layers (free items; w line width, h text height)
Top Overlay:
  lines w8: 0,452.76 393.7,452.76 393.7,3208.66 1.34,3208.66 ; 3423.86,452.76 3031.5,452.76 3031.5,3208.66 3425.2,3208.66
  text "PC14" at 2140,3265 h32 r90
  text "VBAT" at 2241.11,3265 h32 r90
  text "PB10" at 2342.22,3265 h32 r90
  text "PB12" at 2443.33,3265 h32 r90
  text "PB14" at 2544.44,3265 h32 r90
  text "PA8" at 2645.56,3265 h32 r90
  text "PA15" at 2746.67,3265 h32 r90
  text "PB9" at 2847.78,3265 h32 r90
  text "GND" at 2948.89,3265 h32 r90
  text "VCC5" at 3050,3265 h32 r90
  text "PC15" at 2140,3110 h32 r90
  text "PC13" at 2241.67,3110 h32 r90
  text "PB2" at 2343.33,3110 h32 r90
  text "PB11" at 2445,3110 h32 r90
  text "PB13" at 2546.67,3110 h32 r90
  text "PB15" at 2648.33,3110 h32 r90
  text "GND" at 2750,3110 h32 r90
  text "PB3" at 2851.67,3110 h32 r90
  text "PB8" at 2953.33,3110 h32 r90
  text "V3.3" at 3020,3110 h32 r90
  text "VCC" at 3295,2990 h32
  text "DIO" at 3300,2890 h32
  text "CLK" at 3300,2795 h32
  text "-" at 2850,2710 h32
  text "+" at 2490,2700 h32
  text "GND" at 3300,2685 h32
  text "-" at 2845,2245 h32
  text "+" at 2490,2240 h32
  text "+" at 2300,1825 h32
  text "-" at 2395,1825 h32
  text "+" at 2290,0 h32
  text "-" at 2405,0 h32
Bottom Overlay:
  text "-" at 3360,2405 h32 r90
  text "+" at 3360,2200 h32 r90
  text "-" at 3360,2000 h32 r90
  text "+" at 3360,1800 h32 r90
  text "NC" at 3360,1615 h32 r90
  text "COM" at 3360,1435 h32 r90
  text "NO" at 3365,1210 h32 r90
  text "+12-24" at 50,1150 h32 r270
  text "NC" at 3360,1015 h32 r90
  text "GND" at 45,945 h32 r270
  text "COM" at 3360,835 h32 r90
  text "NO" at 3365,610 h32 r90
  text "VCC12-24" at 45,575 h32 r270

## Text inside footprints (layer, text, board x,y; h text height)
J8: Top Overlay "2" at 2030,3535 h40; Top Overlay "1" at 2040,3435 h40; Top Overlay "20" at 3100,3545 h40; Top Overlay "19" at 3100,3435 h40
U15: Top Overlay "DB9 MALE" at 515,1960 h32 r270; Top Overlay "1" at 585,2450 h60 r90; Top Overlay "5" at 585,2000 h60 r90
U16: Top Overlay "->>" at 1022,3563 h32 r180; Top Overlay "->>" at 1334,3169 h32 r180; Top Overlay "5" at 1074,3591 h32 r270; Top Overlay "8" at 1077,3130 h32 r270; Top Overlay "4" at 1189,3130 h32 r270; Top Overlay "1" at 1178,3586 h32 r270; Top Overlay "RST" at 946,3280 h32; Top Overlay "EN" at 969,3384 h32; Top Overlay "IO0" at 1251,3283 h32; Top Overlay "IO2" at 1253,3386 h32; Top Overlay "TXD" at 940,3488 h32; Top Overlay "RXD" at 1254,3184 h32; Top Overlay "VCC" at 943,3180 h32; Top Overlay "GND" at 1251,3487 h32
U18: Top Overlay "+" at 125,1527 h40 r90